# KiCad board squishy.kicad_pcb (continued)
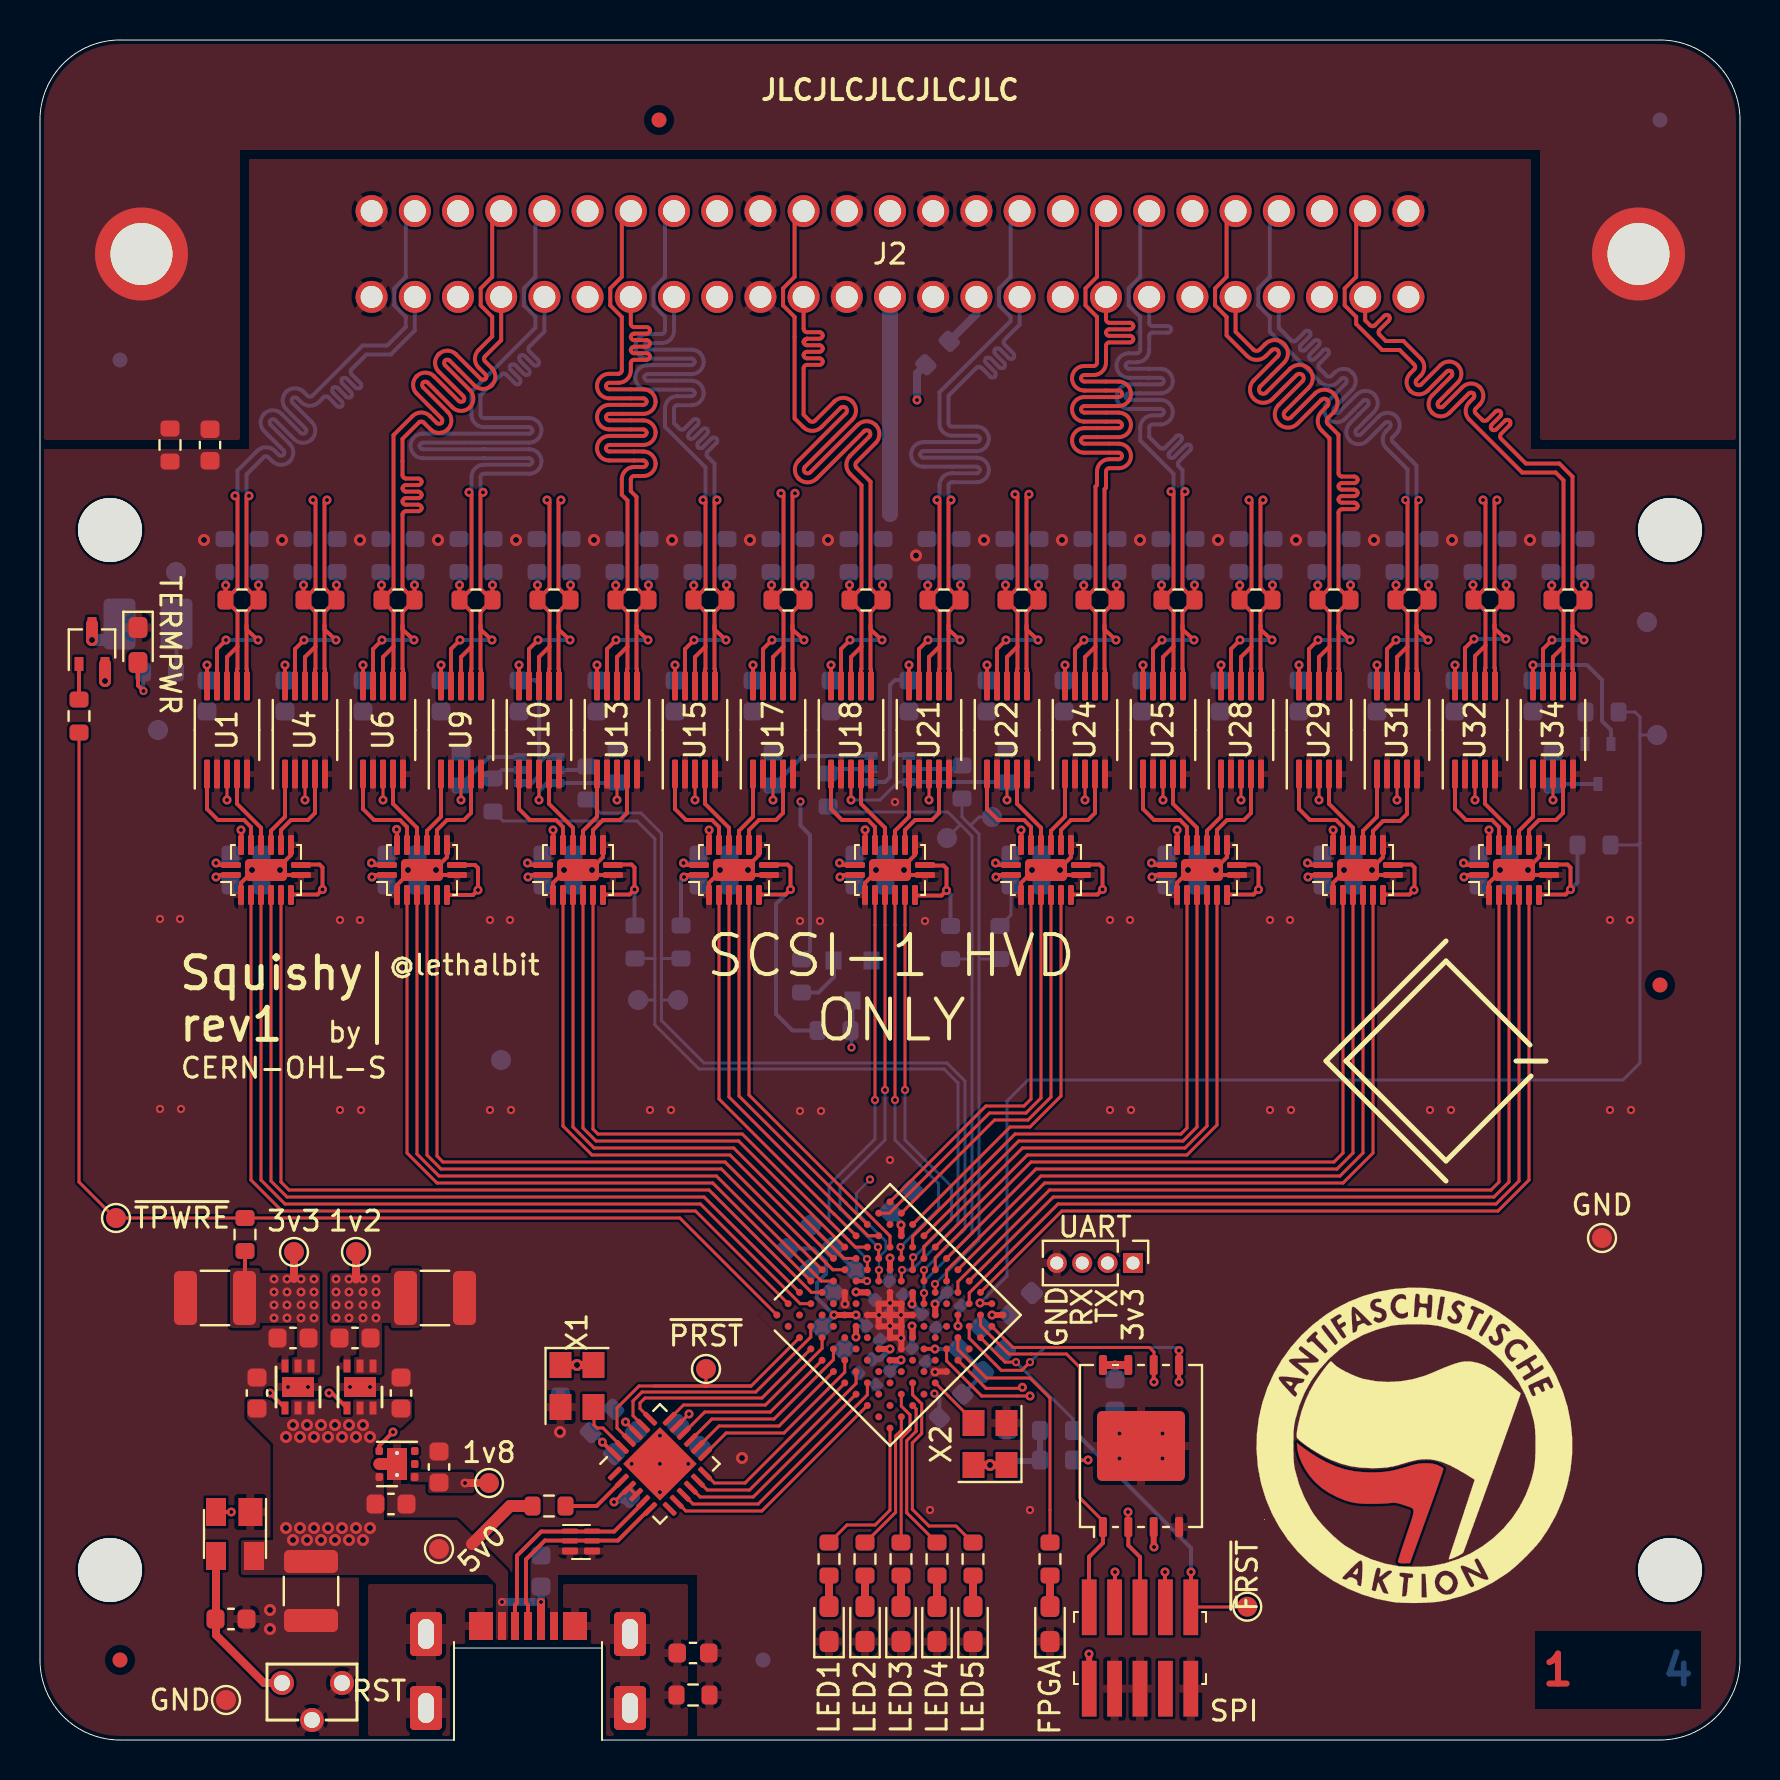
[diagram p0: board, top side]
## Footprints (pads in the part's own frame, mm; a bottom-side part is the same pattern mirrored in y, then rotated)
BGA-121_9.0x9.0mm_Layout11x11_P0.8mm_Ball0.4mm_Pad0.35mm_NSMD
  round 0.35 smd: A1(-4,4) A2(-3.2,4) A3(-2.4,4) A4(-1.6,4) A5(-0.8,4) A6(0,4) A7(0.8,4) A8(1.6,4) A9(2.4,4) A10(3.2,4) A11(4,4) B1(-4,3.2) B2(-3.2,3.2) B3(-2.4,3.2) B4(-1.6,3.2) B5(-0.8,3.2) B6(0,3.2) B7(0.8,3.2) B8(1.6,3.2) B9(2.4,3.2) B10(3.2,3.2) B11(4,3.2) C1(-4,2.4) C2(-3.2,2.4) C3(-2.4,2.4) C4(-1.6,2.4) C5(-0.8,2.4) C6(0,2.4) C7(0.8,2.4) C8(1.6,2.4) C9(2.4,2.4) C10(3.2,2.4) C11(4,2.4) D1(-4,1.6) D2(-3.2,1.6) D3(-2.4,1.6) D4(-1.6,1.6) D5(-0.8,1.6) D6(0,1.6) D7(0.8,1.6) D8(1.6,1.6) D9(2.4,1.6) D10(3.2,1.6) D11(4,1.6) E1(-4,0.8) E2(-3.2,0.8) E3(-2.4,0.8) E4(-1.6,0.8) E5(-0.8,0.8) E6(0,0.8) E7(0.8,0.8) E8(1.6,0.8) E9(2.4,0.8) E10(3.2,0.8) E11(4,0.8) F1(-4,0) F2(-3.2,0) F3(-2.4,0) F4(-1.6,0) F5(-0.8,0) F6(0,0) F7(0.8,0) F8(1.6,0) F9(2.4,0) F10(3.2,0) F11(4,0) G1(-4,-0.8) G2(-3.2,-0.8) G3(-2.4,-0.8) G4(-1.6,-0.8) G5(-0.8,-0.8) G6(0,-0.8) G7(0.8,-0.8) G8(1.6,-0.8) G9(2.4,-0.8) G10(3.2,-0.8) G11(4,-0.8) H1(-4,-1.6) H2(-3.2,-1.6) H3(-2.4,-1.6) H4(-1.6,-1.6) H5(-0.8,-1.6) H6(0,-1.6) H7(0.8,-1.6) H8(1.6,-1.6) H9(2.4,-1.6) H10(3.2,-1.6) H11(4,-1.6) J1(-4,-2.4) J2(-3.2,-2.4) J3(-2.4,-2.4) J4(-1.6,-2.4) J5(-0.8,-2.4) J6(0,-2.4) J7(0.8,-2.4) J8(1.6,-2.4) J9(2.4,-2.4) J10(3.2,-2.4) J11(4,-2.4) K1(-4,-3.2) K2(-3.2,-3.2) K3(-2.4,-3.2) K4(-1.6,-3.2) K5(-0.8,-3.2) K6(0,-3.2) K7(0.8,-3.2) K8(1.6,-3.2) K9(2.4,-3.2) K10(3.2,-3.2) K11(4,-3.2) L1(-4,-4) L2(-3.2,-4) L3(-2.4,-4) L4(-1.6,-4) L5(-0.8,-4) L6(0,-4) L7(0.8,-4) L8(1.6,-4) L9(2.4,-4) L10(3.2,-4) L11(4,-4)
C_0402_1005Metric
  rrect 0.56x0.62 smd: 1(-0.48,0) 2(0.48,0)
C_0603_1608Metric
  rrect 0.875x0.95 smd: 1(-0.787,0) 2(0.787,0)
C_1210_3225Metric
  rrect 1.15x2.7 smd: 1(-1.475,0) 2(1.475,0)
DFN-6-1EP_2x2mm_P0.65mm_EP1x1.6mm
  rect 0.82x0.63 smd: (0,0.4) (0,-0.4)
  rect 0.65x0.35 smd: 1(-1.05,0.65) 2(-1.05,0) 3(-1.05,-0.65) 4(1.05,-0.65) 5(1.05,0) 6(1.05,0.65)
  rect 1x1.6 smd: 7(0,0)
DQFN16_1EP_2.5x3.5mm_P0.5mm
  rrect 1x0.3 smd: 1(-1.75,-0.25) 8(1.75,-0.25) 9(1.75,0.25) 16(-1.75,0.25)
  rrect 0.3x1 smd: 2(-1.25,-1.25) 3(-0.75,-1.25) 4(-0.25,-1.25) 5(0.25,-1.25) 6(0.75,-1.25) 7(1.25,-1.25) 10(1.25,1.25) 11(0.75,1.25) 12(0.25,1.25) 13(-0.25,1.25) 14(-0.75,1.25) 15(-1.25,1.25)
  rrect 2.1x1.1 smd: EP(0,0)
Fiducial_0.75mm_Mask1.5mm
  round 0.75 smd: (0,0)
FTSH-105-01-L-DV-K-TR
  rect 0.74x2.79 smd: 1(-2.54,-2.035) 2(-2.54,2.035) 3(-1.27,-2.035) 4(-1.27,2.035) 5(0,-2.035) 6(0,2.035) 7(1.27,-2.035) 8(1.27,2.035) 9(2.54,-2.035) 10(2.54,2.035)
Fuse_1210_3225Metric_Castellated
  rrect 1.6x2.55 smd: 1(-1.425,0) 2(1.425,0)
LED_0603_1608Metric_Pad1.05x0.95mm_HandSolder
  rrect 1.05x0.95 smd: 1(-0.875,0) 2(0.875,0)
MICRO-USB-B-(IN_PCB)
  rect 0.4x1.4 smd: 1(-1.3,5.7) 2(-0.65,5.7) 3(0,5.7) 4(0.65,5.7) 5(1.3,5.7)
  rrect 1.6x2.2 hole 0.8x1.5: 6(-5.1,5.3) 6(-5.1,1.6) 6(5.1,5.3) 6(5.1,1.6)
  rect 1.2x1.4 smd: 6(-2.35,5.7) 6(2.35,5.7)
MountingHole_3.2mm_M3
  round 3.2 hole 3.2 unplated: (0,0)
Oscillator_SMD_Abracon_ASE-4Pin_3.2x2.5mm
  rect 1.3x1.1 smd: 1(-1.05,-0.825) 2(1.05,-0.825) 3(1.05,0.825) 4(-1.05,0.825)
PinHeader_1x04_P1.27mm_Vertical
  rect 1x1 hole 0.65: 1(0,0)
  oval 1x1 hole 0.65: 2(0,-1.27) 3(0,-2.54) 4(0,-3.81)
QFN-24-1EP_4x4mm_P0.5mm_EP2.6x2.6mm
  rrect 1.05x1.05 smd: (-0.65,0.65) (-0.65,-0.65) (0.65,0.65) (0.65,-0.65)
  rrect 0.825x0.25 smd: 1(-1.938,1.25) 2(-1.937,0.75) 3(-1.938,0.25) 4(-1.938,-0.25) 5(-1.937,-0.75) 6(-1.938,-1.25) 13(1.938,-1.25) 14(1.937,-0.75) 15(1.938,-0.25) 16(1.938,0.25) 17(1.937,0.75) 18(1.938,1.25)
  rrect 0.25x0.825 smd: 7(-1.25,-1.938) 8(-0.75,-1.937) 9(-0.25,-1.938) 10(0.25,-1.938) 11(0.75,-1.937) 12(1.25,-1.938) 19(1.25,1.938) 20(0.75,1.937) 21(0.25,1.938) 22(-0.25,1.938) 23(-0.75,1.937) 24(-1.25,1.938)
  rect 2.6x2.6 smd: 25(0,0)
R_0603_1608Metric
  rrect 0.8x0.95 smd: 1(-0.825,0) 2(0.825,0)
SCSI-50-PIN
  round 1.6 hole 1.1: 1(-25.92,2.145) 2(-23.76,2.145) 3(-21.6,2.145) 4(-19.44,2.145) 5(-17.28,2.145) 6(-15.12,2.145) 7(-12.96,2.145) 8(-10.8,2.145) 9(-8.64,2.145) 10(-6.48,2.145) 11(-4.32,2.145) 12(-2.16,2.145) 13(0,2.145) 14(2.16,2.145) 15(4.32,2.145) 16(6.48,2.145) 17(8.64,2.145) 18(10.8,2.145) 19(12.96,2.145) 20(15.12,2.145) 21(17.28,2.145) 22(19.44,2.145) 23(21.6,2.145) 24(23.76,2.145) 25(25.92,2.145) 26(-25.92,-2.145) 27(-23.76,-2.145) 28(-21.6,-2.145) 29(-19.44,-2.145) 30(-17.28,-2.145) 31(-15.12,-2.145) 32(-12.96,-2.145) 33(-10.8,-2.145) 34(-8.64,-2.145) 35(-6.48,-2.145) 36(-4.32,-2.145) 37(-2.16,-2.145) 38(0,-2.145) 39(2.16,-2.145) 40(4.32,-2.145) 41(6.48,-2.145) 42(8.64,-2.145) 43(10.8,-2.145) 44(12.96,-2.145) 45(15.12,-2.145) 46(17.28,-2.145) 47(19.44,-2.145) 48(21.6,-2.145) 49(23.76,-2.145) 50(25.92,-2.145)
  round 4.65 hole 3.1: 51(37.425,0) 52(-37.425,0)
SOT-23
  rect 0.9x0.8 smd: 1(-1,0.95) 2(-1,-0.95) 3(1,0)
SOT-143
  rect 1.4x1.2 smd: 1(-1.1,0.77)
  rect 1.4x1 smd: 2(-1.1,-0.95) 3(1.1,-0.95) 4(1.1,0.95)
SOT-323_SC-70
  rect 0.7x0.45 smd: 1(-1,0.65) 2(-1,-0.65) 3(1,0)
SOT-363_SC-70-6
  rect 0.65x0.4 smd: 1(-0.95,0.65) 2(-0.95,0) 3(-0.95,-0.65) 4(0.95,-0.65) 5(0.95,0) 6(0.95,0.65)
SW_Tactile_SPST_Angled_TC-1109DE
  round 1.2 hole 0.8: 1(-1.5,0) 2(1.5,0) 3(0,1.85)
TestPoint_Pad_D1.0mm
  round 1 smd: 1(0,0)
UDFN-6L
  rrect 0.8x0.25 smd: 1(-0.55,0.55) 2(-0.55,0.05) 5(0.55,0.05) 6(0.55,0.55)
  rrect 0.8x0.35 smd: 3(-0.55,-0.45) 4(0.55,-0.45)
VSSOP-10_3x3mm_P0.5mm
  rrect 1.45x0.3 smd: 1(-2.2,1) 2(-2.2,0.5) 3(-2.2,0) 4(-2.2,-0.5) 5(-2.2,-1) 6(2.2,-1) 7(2.2,-0.5) 8(2.2,0) 9(2.2,0.5) 10(2.2,1)
WSON-6-1EP_2x2mm_P0.65mm_EP1x1.6mm_ThermalVias
  rrect 0.87x0.69 smd: (0,0.4) (0,-0.4)
  rrect 0.375x0.4 smd: 1(-0.887,0.65) 2(-0.887,0) 3(-0.887,-0.65) 4(0.887,-0.65) 5(0.887,0) 6(0.887,0.65)
  round 0.5 hole 0.2: 7(0,0.55) 7(0,-0.55)
  rect 0.5x1.6 smd far side: 7(0,0)
  rect 1x1.6 smd: 7(0,0)
WSON-8-1EP-6.0x8.0mm
  rrect 1x0.4 smd: 1(-4.05,1.905) 2(-4.05,0.635) 3(-4.05,-0.635) 4(-4.05,-1.905) 5(4.05,-1.905) 6(4.05,-0.635) 7(4.05,0.635) 8(4.05,1.905)
  rrect 3.5x4.4 smd: 9(0,0)

## Nets
+1V2: C6.2 C9.2 C33.2 C38.2 C39.2 C41.2 C46.2 R57.1 R62.1 TP3.1 U5.1 U5.2 U19.D4 U19.D8 U19.H4 U19.H8
+1V8: C10.2 C55.1 TP5.1 U7.1 U14.21
+3V3: C2.2 C4.2 C13.2 C17.2 C20.1 C22.2 C26.2 C28.2 C29.1 C34.2 C35.2 C37.1 C40.2 C42.2 C44.2 C50.2 C52.2 C54.1 C57.1 C58.2 C63.2 C67.2 J3.1 J4.1 R30.1 R37.1 R40.1 R52.2 R53.2 R67.1 R70.1 R87.1 R88.1 TP1.1 U2.1 U2.7 U2.9 U2.15 U3.1 U3.2 U8.1 U8.7 U8.9 U8.15 U11.1 U11.7 U11.9 U11.15 U14.3 U14.4 U14.17 U16.1 U16.7 U16.9 U16.15 U19.C10 U19.D6 U19.E4 U19.F8 U19.G4 U19.H6 U19.L11 U20.1 U20.7 U20.9 U20.15 U23.1 U23.7 U23.9 U23.15 U26.3 U26.7 U26.8 U27.1 U27.7 U27.9 U27.15 U30.1 U30.7 U30.9 U30.15 U33.1 U33.7 U33.9 U33.15 X1.1 X1.4 X2.1 X2.4
+5V: C3.2 C5.1 C7.2 C8.2 C12.2 C14.1 C15.1 C16.1 C18.1 C19.2 C21.1 C23.2 C24.1 C25.1 C27.1 C31.1 C36.1 C43.2 C47.2 C49.2 C51.2 C53.1 C56.1 C59.2 C60.2 C61.1 C62.1 C64.2 C65.1 C66.1 C68.1 C69.1 J1.1 J1.4 Q1.2 Q2.2 Q3.1 Q3.4 Q4.1 Q4.4 R7.2 R77.2 TP4.1 U1.10 U2.16 U3.5 U3.6 U4.10 U5.5 U5.6 U6.10 U7.6 U8.16 U9.10 U10.10 U11.16 U13.10 U15.10 U16.16 U17.10 U18.10 U20.16 U21.10 U22.10 U23.16 U24.10 U25.10 U27.16 U28.10 U29.10 U30.16 U31.10 U32.10 U33.16 U34.10 U35.4
/VBUS: R7.1 U14.2
GND: C1.2 C2.1 C3.1 C4.1 C5.2 C6.1 C7.1 C8.1 C9.1 C10.1 C11.1 C12.1 C13.1 C14.2 C15.2 C16.2 C17.1 C18.2 C19.1 C20.2 C21.2 C22.1 C23.1 C24.2 C25.2 C26.1 C27.2 C28.1 C29.2 C30.2 C31.2 C32.2 C33.1 C34.1 C35.1 C36.2 C37.2 C38.1 C39.1 C40.1 C41.1 C42.1 C43.1 C44.1 C45.2 C46.1 C47.1 C48.2 C49.1 C50.1 C51.1 C52.1 C53.2 C54.2 C55.2 C56.2 C57.2 C58.1 C59.1 C60.1 C61.2 C62.2 C63.1 C64.1 C65.2 C66.2 C67.1 C68.2 C69.2 C70.2 D1.1 D2.1 D3.1 D4.1 D5.1 D6.1 D7.1 J1.5 J2.12 J2.14 J2.16 J2.25 J2.26 J2.36 J2.37 J2.39 J2.41 J2.50 J3.4 J4.3 J4.5 J4.9 Q5.2 R2.2 R10.1 R32.2 R33.1 R35.2 R36.1 R41.1 R43.1 R46.2 R47.1 R49.1 R51.1 R55.1 R58.1 R60.1 R63.1 R65.2 R66.1 R71.1 R72.1 R75.2 R76.1 R79.1 R81.1 R83.1 R85.1 SW1.1 SW1.3 TP2.1 TP15.1 TP16.1 TP17.1 TP18.1 U1.2 U1.5 U2.2 U2.8 U2.10 U2.EP U3.3 U3.7 U4.2 U4.5 U5.3 U5.7 U6.2 U6.5 U7.5 U7.7 U8.2 U8.8 U8.10 U8.EP U9.2 U9.5 U10.2 U10.5 U11.2 U11.8 U11.10 U11.EP U12.3 U12.4 U13.2 U13.5 U14.25 U15.2 U15.5 U16.2 U16.8 U16.10 U16.EP U17.2 U17.5 U18.2 U18.5 U19.C5 U19.E5 U19.E6 U19.E7 U19.F5 U19.F6 U19.F7 U19.G5 U19.G6 U19.G7 U19.H5 U19.L6 U20.2 U20.8 U20.10 U20.EP U21.2 U21.5 U22.2 U22.5 U23.2 U23.8 U23.10 U23.EP U24.2 U24.5 U25.2 U25.5 U26.4 U26.9 U27.2 U27.8 U27.10 U27.EP U28.2 U28.5 U29.2 U29.5 U30.2 U30.8 U30.10 U30.EP U31.2 U31.5 U32.2 U32.5 U33.2 U33.8 U33.10 U33.EP U34.2 U34.5 U35.1 X1.2 X2.2
/CIPO: J4.6 U19.J9 U26.2
/COPI: J4.8 U19.K9 U26.5
/D+: J1.3 U12.2 U12.5 U14.6
/D-: J1.2 U12.1 U12.6 U14.5
/DIFF_SENSE: J2.11 R77.1 R86.1
/FPGA_DONE: R20.1 U19.K8
/GLOBAL_CLK: U19.L5 X2.3
/PHY_BUS.CLK: U14.12 U19.G1
/PHY_BUS.D0: U14.16 U19.E1
/PHY_BUS.D1: U14.15 U19.E2
/PHY_BUS.D2: U14.14 U19.F1
/PHY_BUS.D3: U14.13 U19.F2
/PHY_BUS.D4: U14.11 U19.G2
/PHY_BUS.D5: U14.10 U19.H1
/PHY_BUS.D6: U14.9 U19.H2
/PHY_BUS.D7: U14.8 U19.J1
/PHY_BUS.DIR: U14.19 U19.D1
/PHY_BUS.NXT: U14.18 U19.D2
/PHY_BUS.STP: U14.20 U19.C2
/PHY_RCLK: U14.23 X1.3
/Power Supply/PSU_EN: U3.4 U5.4 U7.4 U35.2
/S1: R13.1 U19.L1
/S2: R14.1 U19.L2
/S3: R16.1 U19.K3
/S4: R17.1 U19.L3
/S5: R19.1 U19.K4
/SCSI Transceiver/AA_EN: Q3.6 R35.1 U15.3 U18.3
/SCSI Transceiver/ACK_RX: U15.1 U16.14
/SCSI Transceiver/ACK_TX: U15.4 U16.13
/SCSI Transceiver/ATN_RX: U18.1 U20.14
/SCSI Transceiver/ATN_TX: U18.4 U20.13
/SCSI Transceiver/BSY_EN: Q3.3 R46.1 U17.3
/SCSI Transceiver/BSY_RX: U16.12 U17.1
/SCSI Transceiver/BSY_TX: U16.11 U17.4
/SCSI Transceiver/CD_RX: U6.1 U8.14
/SCSI Transceiver/CD_TX: U6.4 U8.13
/SCSI Transceiver/DB0_RX: U33.12 U34.1
/SCSI Transceiver/DB0_TX: U33.11 U34.4
/SCSI Transceiver/DB1_RX: U32.1 U33.14
/SCSI Transceiver/DB1_TX: U32.4 U33.13
/SCSI Transceiver/DB2_RX: U30.12 U31.1
/SCSI Transceiver/DB2_TX: U30.11 U31.4
/SCSI Transceiver/DB3_RX: U29.1 U30.14
/SCSI Transceiver/DB3_TX: U29.4 U30.13
/SCSI Transceiver/DB4_RX: U27.12 U28.1
/SCSI Transceiver/DB4_TX: U27.11 U28.4
/SCSI Transceiver/DB5_RX: U25.1 U27.14
/SCSI Transceiver/DB5_TX: U25.4 U27.13
/SCSI Transceiver/DB6_RX: U23.12 U24.1
/SCSI Transceiver/DB6_TX: U23.11 U24.4
/SCSI Transceiver/DB7_RX: U22.1 U23.14
/SCSI Transceiver/DB7_TX: U22.4 U23.13
/SCSI Transceiver/DBP_RX: U20.12 U21.1
/SCSI Transceiver/DBP_TX: U20.11 U21.4
/SCSI Transceiver/IO_RX: U1.1 U2.14
/SCSI Transceiver/IO_TX: U1.4 U2.13
/SCSI Transceiver/MR_EN: Q4.3 R65.1 U1.3 U4.3 U6.3 U10.3
/SCSI Transceiver/MSG_RX: U10.1 U11.14
/SCSI Transceiver/MSG_TX: U10.4 U11.13
/SCSI Transceiver/REQ_RX: U2.12 U4.1
/SCSI Transceiver/REQ_TX: U2.11 U4.4
/SCSI Transceiver/RST_RX: U11.12 U13.1
/SCSI Transceiver/RST_TX: U11.11 U13.4
/SCSI Transceiver/SEL_EN: Q4.6 R75.1 U9.3
/SCSI Transceiver/SEL_RX: U8.12 U9.1
/SCSI Transceiver/SEL_TX: U8.11 U9.4
/SCSI Transceiver/TX_EN: Q2.3 R32.1 U13.3 U21.3 U22.3 U24.3 U25.3 U28.3 U29.3 U31.3 U32.3 U34.3
/SCSI-OUT.ACK+: J2.18 R11.2 R64.1 U15.6 U15.9
/SCSI-OUT.ACK-: J2.43 R11.1 R66.2 U15.7 U15.8
/SCSI-OUT.ATN+: J2.15 R15.2 R59.1 U18.6 U18.9
/SCSI-OUT.ATN-: J2.40 R15.1 R60.2 U18.7 U18.8
/SCSI-OUT.BSY+: J2.17 R12.2 R61.1 U17.6 U17.9
/SCSI-OUT.BSY-: J2.42 R12.1 R63.2 U17.7 U17.8
/SCSI-OUT.CD+: J2.22 R5.2 R80.1 U6.6 U6.9
/SCSI-OUT.CD-: J2.47 R5.1 R81.2 U6.7 U6.8
/SCSI-OUT.DB0+: J2.2 R28.2 R31.1 U34.6 U34.9
/SCSI-OUT.DB0-: J2.27 R28.1 R33.2 U34.7 U34.8
/SCSI-OUT.DB1+: J2.3 R27.2 R34.1 U32.6 U32.9
/SCSI-OUT.DB1-: J2.28 R27.1 R36.2 U32.7 U32.8
/SCSI-OUT.DB2+: J2.4 R26.2 R39.1 U31.6 U31.9
/SCSI-OUT.DB2-: J2.29 R26.1 R41.2 U31.7 U31.8
/SCSI-OUT.DB3+: J2.5 R25.2 R42.1 U29.6 U29.9
/SCSI-OUT.DB3-: J2.30 R25.1 R43.2 U29.7 U29.8
/SCSI-OUT.DB4+: J2.6 R24.2 R45.1 U28.6 U28.9
/SCSI-OUT.DB4-: J2.31 R24.1 R47.2 U28.7 U28.8
/SCSI-OUT.DB5+: J2.7 R23.2 R48.1 U25.6 U25.9
/SCSI-OUT.DB5-: J2.32 R23.1 R49.2 U25.7 U25.8
/SCSI-OUT.DB6+: J2.8 R22.2 R50.1 U24.6 U24.9
/SCSI-OUT.DB6-: J2.33 R22.1 R51.2 U24.7 U24.8
/SCSI-OUT.DB7+: J2.9 R21.2 R54.1 U22.6 U22.9
/SCSI-OUT.DB7-: J2.34 R21.1 R55.2 U22.7 U22.8
/SCSI-OUT.DBP+: J2.10 R18.2 R56.1 U21.6 U21.9
/SCSI-OUT.DBP-: J2.35 R18.1 R58.2 U21.7 U21.8
/SCSI-OUT.IO+: J2.24 R3.2 R84.1 U1.6 U1.9
/SCSI-OUT.IO-: J2.49 R3.1 R85.2 U1.7 U1.8
/SCSI-OUT.MSG+: J2.20 R8.2 R74.1 U10.6 U10.9
/SCSI-OUT.MSG-: J2.45 R8.1 R76.2 U10.7 U10.8
/SCSI-OUT.REQ+: J2.23 R4.2 R82.1 U4.6 U4.9
/SCSI-OUT.REQ-: J2.48 R4.1 R83.2 U4.7 U4.8
/SCSI-OUT.RST+: J2.19 R9.2 R69.1 U13.6 U13.9
/SCSI-OUT.RST-: J2.44 R9.1 R71.2 U13.7 U13.8
/SCSI-OUT.SEL+: J2.21 R6.2 R78.1 U9.6 U9.9
/SCSI-OUT.SEL-: J2.46 R6.1 R79.2 U9.7 U9.8
/SCSI-RX.ACK: U16.3 U19.A8
/SCSI-RX.ATN: U19.C7 U20.3
/SCSI-RX.BSY: U16.5 U19.A9
/SCSI-RX.CD: U8.3 U19.A4
/SCSI-RX.DB0: U19.J10 U33.5
/SCSI-RX.DB1: U19.H10 U33.3
/SCSI-RX.DB2: U19.G10 U30.5
/SCSI-RX.DB3: U19.F10 U30.3
/SCSI-RX.DB4: U19.E10 U27.5
/SCSI-RX.DB5: U19.D10 U27.3
/SCSI-RX.DB6: U19.B11 U23.5
/SCSI-RX.DB7: U19.A11 U23.3
/SCSI-RX.DBP: U19.D9 U20.5
/SCSI-RX.IO: U2.3 U19.A2
/SCSI-RX.MSG: U11.3 U19.A6
/SCSI-RX.REQ: U2.5 U19.A3
/SCSI-RX.RST: U11.5 U19.A7
/SCSI-RX.SEL: U8.5 U19.A5
/SCSI-TX.ACK: U16.4 U19.B9
/SCSI-TX.ATN: U19.C8 U20.4
/SCSI-TX.BSY: U16.6 U19.C9
/SCSI-TX.CD: U8.4 U19.B5
/SCSI-TX.DB0: U19.J11 U33.6
/SCSI-TX.DB1: U19.H11 U33.4
/SCSI-TX.DB2: U19.G11 U30.6
/SCSI-TX.DB3: U19.F11 U30.4
/SCSI-TX.DB4: U19.E11 U27.6
/SCSI-TX.DB5: U19.D11 U27.4
/SCSI-TX.DB6: U19.C11 U23.6
/SCSI-TX.DB7: U19.A10 U23.4
/SCSI-TX.DBP: U19.E9 U20.6
/SCSI-TX.IO: U2.4 U19.B3
/SCSI-TX.MSG: U11.4 U19.B7
/SCSI-TX.REQ: U2.6 U19.B4
/SCSI-TX.RST: U11.6 U19.B8
/SCSI-TX.SEL: U8.6 U19.B6
/SHIELD: C1.1 J2.1 J2.51 J2.52 R2.1
/SPI_CLK: J4.4 U19.L10 U26.6
/TERMPWR: F1.1 J2.13 J2.38 R31.2 R34.2 R39.2 R42.2 R45.2 R48.2 R50.2 R54.2 R56.2 R59.2 R61.2 R64.2 R69.2 R74.2 R78.2 R80.2 R82.2 R84.2 R89.1 TP13.1
/UART_RX: J3.3 U19.L7
/UART_TX: J3.2 U19.K7
/~{DIFF_SENSE}: Q5.3 R87.2 U19.D7
/~{FPGA_RESET}: J4.10 R53.1 TP7.1 U19.L9
/~{PHY_RST}: TP6.1 U14.22 U19.C1
/~{SCSI_AA_EN}: R40.2 R44.2 TP10.1 U19.G8
/~{SCSI_BSY_EN}: R37.2 R38.2 TP9.1 U19.G9
/~{SCSI_MR_EN}: R70.2 R73.2 TP12.1 U19.E8
/~{SCSI_SEL_EN}: R67.2 R68.2 TP11.1 U19.F9
/~{SCSI_TX_EN}: R29.2 R30.2 TP8.1 U19.K11
/~{SPI_CS}: J4.2 R52.1 U19.K10 U26.1
/~{TP_EN}: R1.2 R88.2 TP14.1 U19.A1
Net-(C11-Pad2): C11.2 J1.6 R10.2
Net-(C30-Pad1): C30.1 C32.1 R57.2 U19.J6
Net-(C45-Pad1): C45.1 C48.1 R62.2 U19.C6
Net-(C70-Pad1): C70.1 SW1.2 U35.3
Net-(D1-Pad2): D1.2 R13.2
Net-(D2-Pad2): D2.2 R14.2
Net-(D3-Pad2): D3.2 R16.2
Net-(D4-Pad2): D4.2 R17.2
Net-(D5-Pad2): D5.2 R19.2
Net-(D6-Pad2): D6.2 R20.2
Net-(D7-Pad2): D7.2 R89.2
Net-(F1-Pad2): F1.2 Q1.3
Net-(Q1-Pad1): Q1.1 R1.1
Net-(Q2-Pad1): Q2.1 R29.1
Net-(Q3-Pad2): Q3.2 R44.1
Net-(Q3-Pad5): Q3.5 R38.1
Net-(Q4-Pad2): Q4.2 R68.1
Net-(Q4-Pad5): Q4.5 R73.1
Net-(Q5-Pad1): Q5.1 R86.2
Net-(R72-Pad2): R72.2 U14.24

Pads without a net: J4 7; U7 2 3; U14 1 7; U19 B1 B2 B10 C3 C4 D3 D5 E3 F3 F4 G3 H3 H7 H9 J2 J3 J4 J5 J7 J8 K1 K2 K5 K6 L4 L8

## Via types
v1: diameter 0.6, hole 0.3, Top to Bottom, 70 vias
v2: diameter 0.45, hole 0.2, Top to Bottom, 256 vias
v3: diameter 0.41, hole 0.2, Top to Bottom, 62 vias

## Routing (per net, layer and track width the routed paths; a pad name or vN(x,y) marks a point on that pad's centre or on a via; arc(x,y) is an arc through that point)
+1V2: length 15.4
  Top w0.3: v2(39.7,21.25) U19.D4 v2(40.8,21.25) ; v2(43.05,19) 43.04,18.99 U19.H4 ; U19.D8 v2(42.5,24.1) ; U19.H8 44.76,21.79 v2(44.75,21.8)
  Top w0.4: 15.8,24.38 15.8,23.02
  Bottom w0.2: v2(40.8,21.25) 41.31,20.74 C41.2 ; R62.1 38.67,24.57 39.29,23.94 39.29,23.3 38.85,22.86 38.85,22.1 v2(39.7,21.25) ; R57.1 44.97,17.08 v3(44.72,17.32)
  Bottom w0.3: v2(42.5,24.1) 42.5,23 42.4,22.9 ; C46.2 39.1,20.65 v2(39.7,21.25) ; v2(44.75,21.8) 45.34,22.39 C33.2 ; v2(43.05,19) 42.45,18.4
  vias: v2(14.8,23.05) v2(14.8,22.4) v2(14.8,21.75) v2(14.8,21.1) v2(15.45,23.05) v2(15.45,22.4) v2(15.45,21.75) v2(15.45,21.1) v2(16.15,23.05) v2(16.15,22.4) v2(16.15,21.75) v2(16.15,21.1) v2(16.8,23.05) v2(16.8,22.4) v2(16.8,21.75) v2(16.8,21.1)
+1V8: length 12.7
  Top w0.152: U14.21 29.8,15.37 v2(29.28,15.9)
  Top w0.4: TP5.1 v2(21.25,12.85)
  In2.Cu w0.4: v2(29.28,15.9) 29.3,15.88 29.3,14.8 27.35,12.85 v2(21.25,12.85)
  Bottom w0.152: v2(29.28,15.9) 29.3,15.9 29.8,15.4
+3V3: length 197.4
  Top w0.152: U14.17 31.86,15.71 v2(32.45,16.3) ; U14.4 29.46,12.6 29.45,12.6 ; U14.3 29.41,12.61 v2(28.7,11.9)
  Top w0.2: 10.07,44.77 10.07,45.54 ; U2.1 8.9,43.25 v2(8.8,43.15) ; 64.68,44.77 64.68,45.54 ; 43.78,42.22 45.07,42.22 v2(45.32,42.47) 45.32,43.58 45.18,43.72 44.28,43.72 ; 41.28,44.72 41.28,45.49 ; U11.1 24.5,43.25 v2(24.4,43.15) ; 75.47,43.77 76.38,43.77 76.53,43.62 v2(76.53,42.52) 76.28,42.27 74.97,42.27 ; 56.88,44.77 56.88,45.54 ; 28.18,42.27 29.47,42.27 v2(29.72,42.52) 29.72,43.62 29.57,43.77 28.68,43.77 ; v2(32.2,43.15) 32.3,43.25 U16.1 ; 13.07,43.77 13.97,43.77 14.12,43.62 v2(14.12,42.52) 13.88,42.27 12.57,42.27 ; 67.68,43.77 68.57,43.77 68.72,43.62 68.72,42.52 68.47,42.27 67.18,42.27 ; U20.1 40.1,43.25 v2(40,43.15) ; 59.88,43.77 60.78,43.77 60.93,43.62 v2(60.93,42.52) 60.68,42.27 59.38,42.27 ; U30.1 63.5,43.25 v2(63.4,43.15) ; 49.07,44.77 49.07,45.54 ; 51.57,42.27 52.88,42.27 v2(53.12,42.52) 53.12,43.62 52.97,43.77 52.07,43.77 ; 72.47,44.77 72.47,45.54 ; 36.47,43.77 37.38,43.77 37.53,43.62 v2(37.53,42.52) 37.28,42.27 35.97,42.27 ; v2(16.6,43.15) 16.7,43.25 U8.1 ; v2(17.83,45.53) 17.85,45.51 U8.15 ; v2(47.8,43.15) 47.9,43.25 U23.1 ; U33.1 71.3,43.25 v2(71.2,43.15) ; U27.1 55.7,43.25 v2(55.6,43.15) ; 33.47,44.77 33.47,45.54 ; U8.9 21.75,43.75 21.9,43.6 v2(21.9,42.5) 21.65,42.25 U8.7 ; 25.68,44.77 25.68,45.54 ; R88.1 10.25,23.4